# Altium PCB master.PcbDoc (part 2 of 10)
Units mm, origin at the board's own origin, x right, y up, seen from the top; angles counter-clockwise.
Board outline 160 x 120 mm, 6 copper layers (Top Signal, Top GND, Inner PWR, Inner Signal, Bottom GND, Bottom Signal), stack 1.601 mm thick; 526 components, 435 nets, 2167 pads, 1617 vias.
Unrouted connection lines stored in the file: 3.
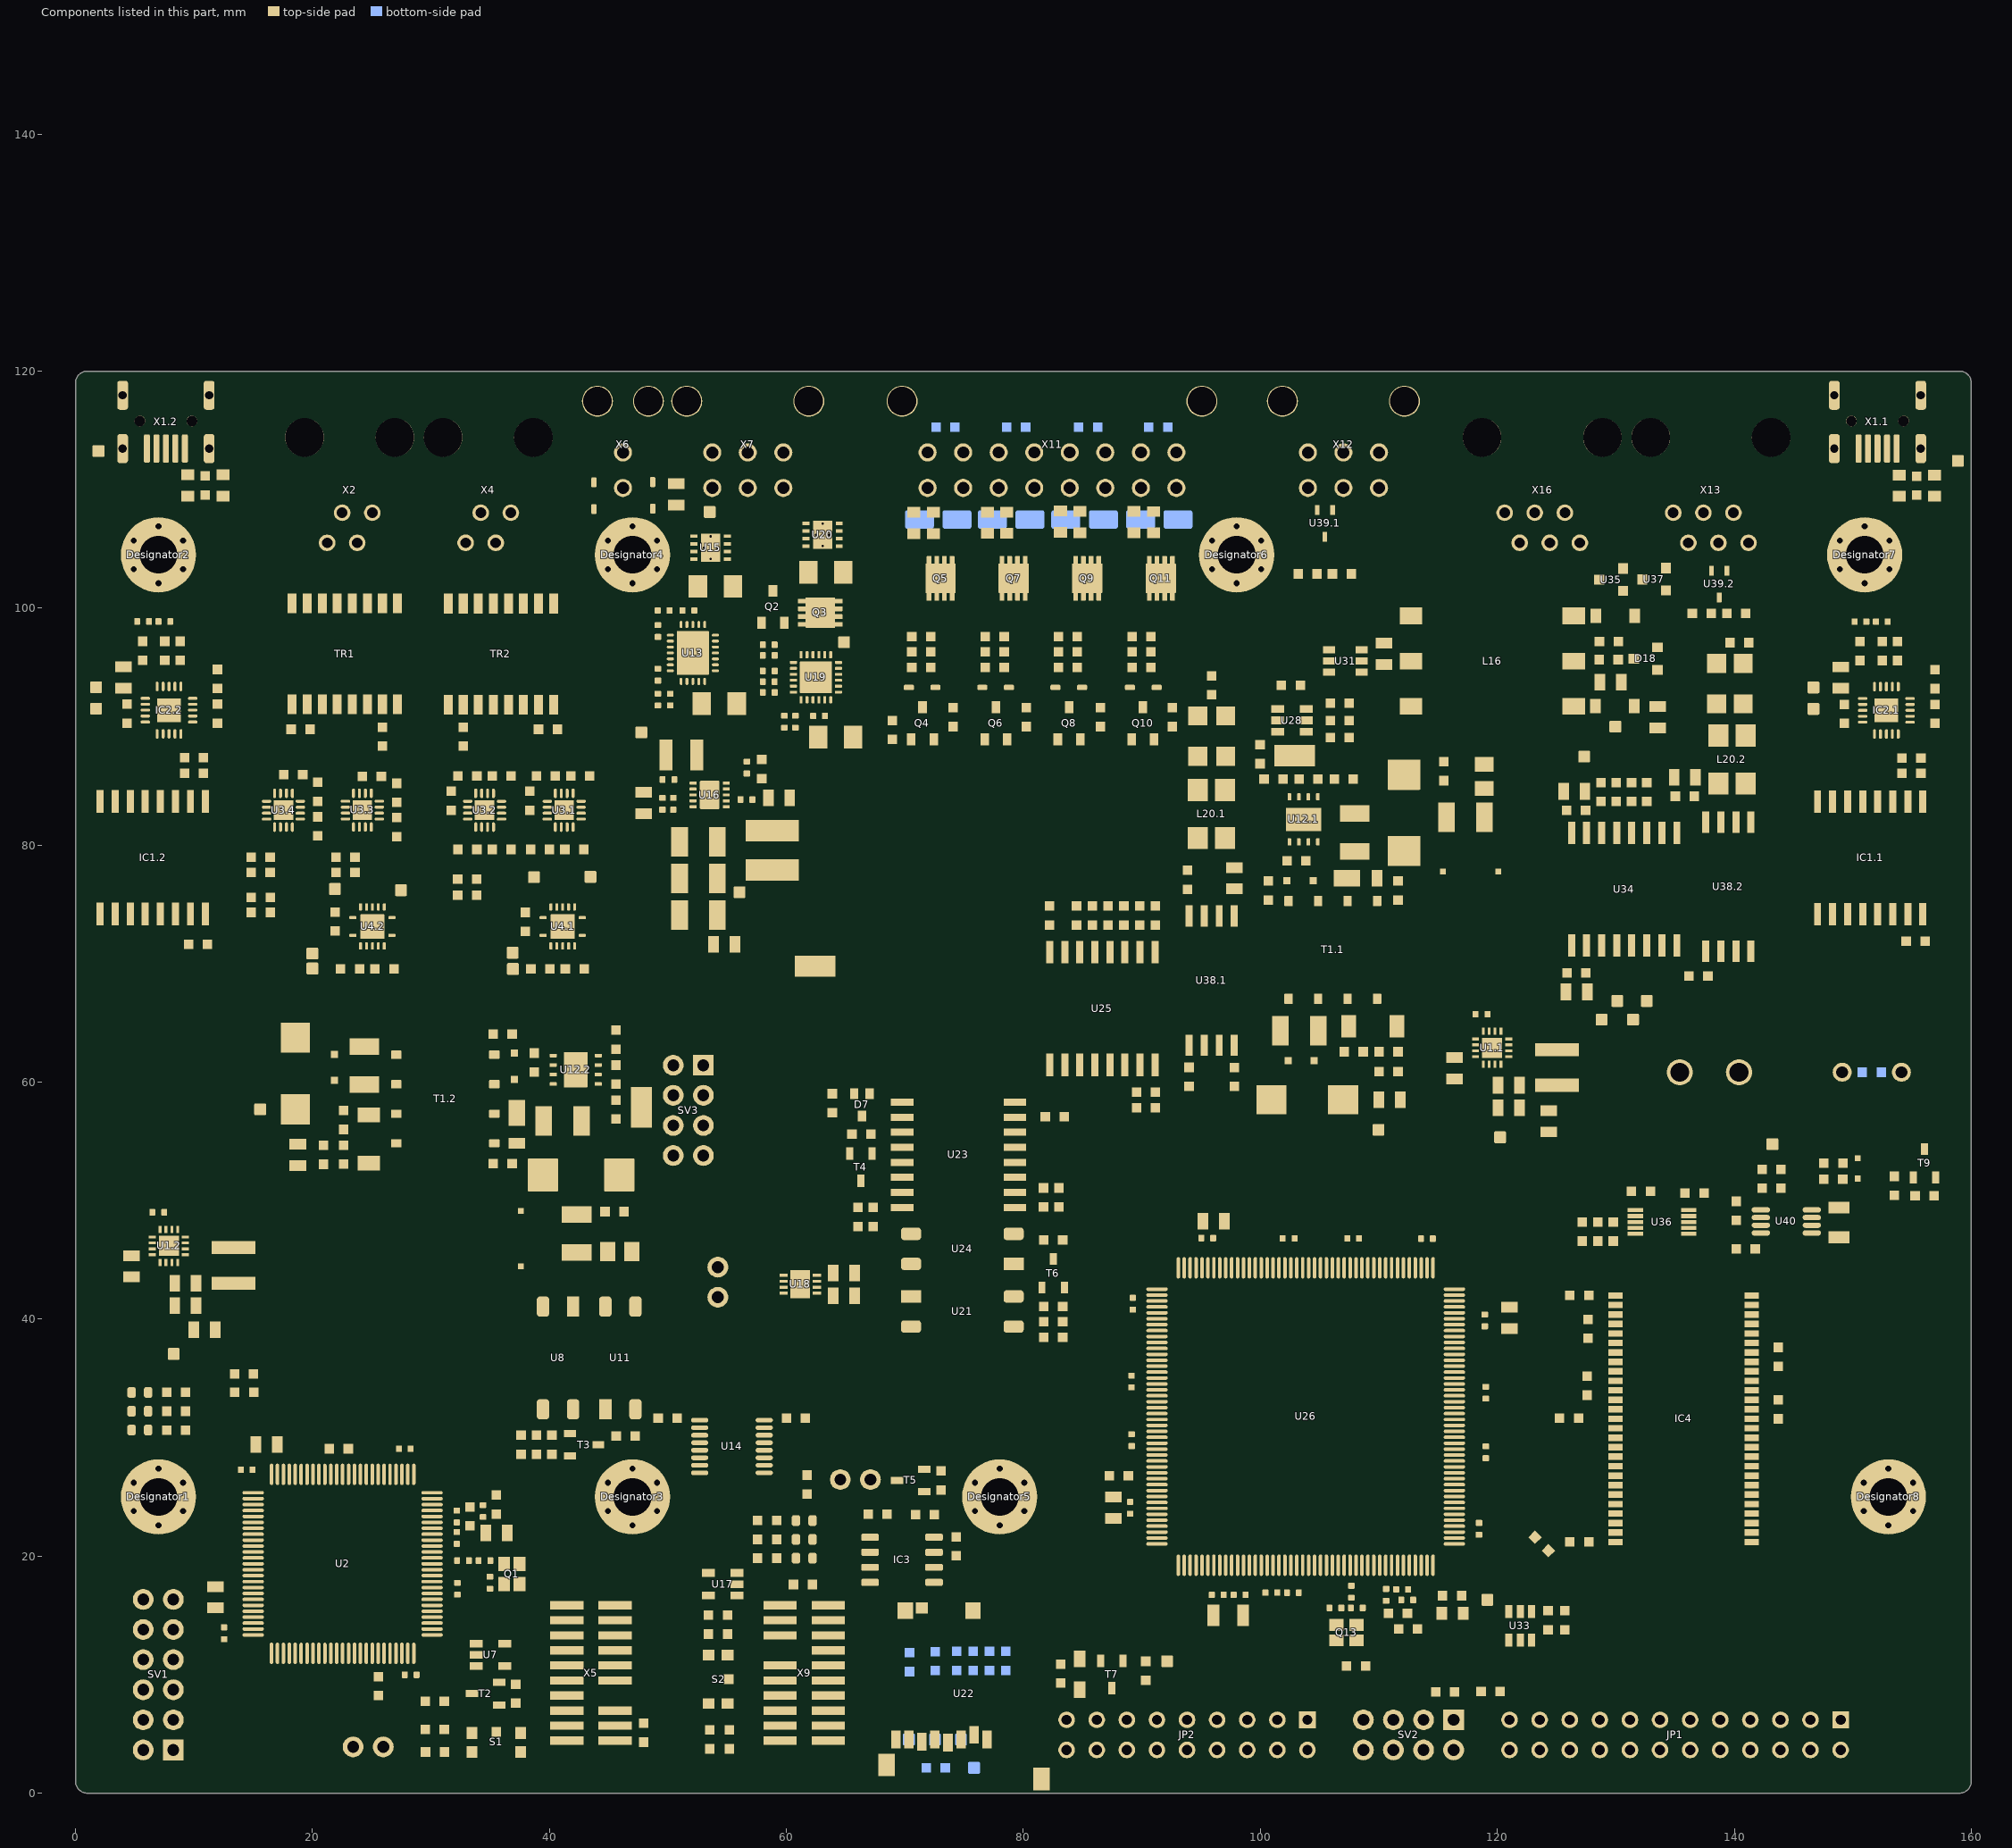
[diagram p6: the components of this part, seen from the top]

## Components (designator, comment, footprint, x,y, rotation, side; value= is the part's Value field where it differs from the comment) (continued)
D4.1 "75V" SOD-323 103.35,76.985 r180 top (schematic designator D4)
D4.2 "75V" SOD-323 37.027,61.344 r90 top (schematic designator D4)
D5 "MM3Z12VT1G" SODFL250X110-2N 43.754,109.484 r270 top
D6 "MM3Z12VT1G" SODFL250X110-2N 48.717,109.517 r270 top
D7 "BAT54SW-7-F" DIOD-SOT323-3_V 66.375,58.087 r270 top
D8 "CDSOD323-T05" SODFL250X110-2N 71.458,93.308 r0 top
D9 "CDSOD323-T05" SODFL250X110-2N 77.656,93.308 r0 top
D10 "CDSOD323-T05" SODFL250X110-2N 83.828,93.308 r0 top
D11 "CDSOD323-T05" SODFL250X110-2N 90.117,93.308 r0 top
D12 "d_si_sma_1A" DIOM4326X24N 91.477,107.475 r0 bottom
D13 "d_si_sma_1A" DIOM4326X24N 85.173,107.475 r0 bottom
D14 "d_si_sma_1A" DIOM4326X24N 72.821,107.475 r0 bottom
D15 "d_si_sma_1A" DIOM4326X24N 78.975,107.475 r0 bottom
D16 "MBR0520L" ONSC-SOD-123-2-425-04_V 129.917,91.728 r180 top
D17 "MBR0520L" ONSC-SOD-123-2-425-04_V 129.961,99.348 r180 top
D18 "BZX84C5V1ET1G" ONSC-SOT-23-3-318-08_V 132.518,95.735 r180 top
D19 "NF" NF_SOD-523 150.413,52.719 r270 top
Designator1 "Comment" HOLE_3.2_ISO 7,25 r0 top locked
Designator2 "Comment" HOLE_3.2_ISO 7,104.5 r0 top locked
Designator3 "Comment" HOLE_3.2_ISO 47,25 r0 top locked
Designator4 "Comment" HOLE_3.2_ISO 47,104.5 r0 top locked
Designator5 "Comment" HOLE_3.2_ISO 78,25 r0 top locked
Designator6 "Comment" HOLE_3.2_ISO 98,104.5 r0 top locked
Designator7 "Comment" HOLE_3.2_ISO 151,104.5 r0 top locked
Designator8 "Comment" HOLE_3.2_ISO 153,25 r0 top locked
IC1.1 "ISO7741DWR" DW0016B_N 151.47,78.927 r270 top value=Value (schematic designator IC1)
IC1.2 "ISO7741DWR" DW0016B_N 6.524,78.943 r270 top value=Value (schematic designator IC1)
IC2.1 "FT231XQ-R" QFN-20_N 152.835,91.375 r180 top locked (schematic designator IC2)
IC2.2 "FT231XQ-R" QFN-20_N 7.889,91.391 r180 top (schematic designator IC2)
IC3 "MB85RS2MTAPNF-G-BDERE1" SOIC127P600X175-8N 69.755,19.694 r0 top
IC4 "IS42S16400J-7TLI" TSOP80P1180X120-54N 135.716,31.596 r0 top locked
ISOGND "Testpoint_Square" Testpoint_S1 127.325,87.475 r270 top (schematic designator TPIisoGND1)
JP1 "SLW-112-01-T-D" SMTC-SLW-112-01-X-D#1 148.972,6.19 r180 bottom
JP2 "SLW-112-01-T-D" SMTC-SLW-112-01-X-D#2 103.97,6.19 r180 bottom locked
L1.1 "BLM21AG471SN1J" MURA-BLM21-H1-CHIP-2_V#1 153.919,110.334 r270 top (schematic designator L1)
L1.2 "BLM21AG471SN1J" MURA-BLM21-H1-CHIP-2_V#1 9.473,110.35 r270 top (schematic designator L1)
L2.1 "BLM21AG471SN1J" MURA-BLM21-H1-CHIP-2_V#1 156.882,110.334 r90 top (schematic designator L2)
L2.2 "BLM21AG471SN1J" MURA-BLM21-H1-CHIP-2_V#1 12.436,110.35 r90 top (schematic designator L2)
L3.1 "744042100" WE-TPC-M1 117.719,77.775 r180 top value=10uH (schematic designator L3)
L3.2 "744042100" WE-TPC-M1 37.575,46.8 r90 top value=10uH (schematic designator L3)
L4.1 "742792021" 0805_HV 118.894,85.8 r270 top value="22 ohm" (schematic designator L4)
L4.2 "742792021" 0805_HV 45.925,45.7 r180 top value="22 ohm" (schematic designator L4)
L5 "SDR0403-4R7ML" SDR0403 58.804,79.562 r270 top value=Value
L6 "BLM21AG471SN1J" MURA-BLM21-H1-CHIP-2_V#1 70.758,107.178 r270 top
L7 "BLM21AG471SN1J" MURA-BLM21-H1-CHIP-2_V#1 72.405,107.178 r270 top
L8 "BLM21AG471SN1J" MURA-BLM21-H1-CHIP-2_V#1 76.955,107.204 r270 top
L9 "BLM21AG471SN1J" MURA-BLM21-H1-CHIP-2_V#1 78.577,107.204 r270 top
L10 "BLM21AG471SN1J" MURA-BLM21-H1-CHIP-2_V#1 83.127,107.29 r270 top
L11 "BLM21AG471SN1J" MURA-BLM21-H1-CHIP-2_V#1 84.772,107.253 r270 top
L12 "BLM21AG471SN1J" MURA-BLM21-H1-CHIP-2_V#2 84.74,10.045 r270 top
L13 "BLM21AG471SN1J" MURA-BLM21-H1-CHIP-2_V#1 89.321,107.265 r270 top
L14 "BLM21AG471SN1J" MURA-BLM21-H1-CHIP-2_V#1 90.975,107.25 r270 top
L15_1 "PA4332.222NLT" PA4332 125.021,61.239 r270 top value=Value (schematic designator L15)
L15_2 "PA4332.222NLT" PA4332 13.342,44.528 r270 top value=Value (schematic designator L15)
L16 "Wurth 750316031 Xformer" 750316031 119.579,95.538 r0 top value=Value
L17 "BLM21AG471SN1J" MURA-BLM21-H1-CHIP-2_V#1 116.205,15.189 r180 top
L20.1 "B82789C0104H001" SIMDAD_1812 95.875,82.625 r180 top value=100uH (schematic designator L20)
L20.2 "B82789C0104H001" SIMDAD_1812 139.8,87.225 r180 top value=100uH (schematic designator L20)
LED1 "green" LEDC1608X07N 5.426,30.643 r180 top locked
LED2 "red" LEDC1608X07N 5.426,32.23 r180 top locked
LED3 "orange" LEDC1608X07N 5.426,33.818 r180 top locked
LED4 "green" LEDC1608X07N 61.5,19.829 r0 top locked
LED5 "red" LEDC1608X07N 61.5,21.417 r0 top locked
LED6 "orange" LEDC1608X07N 61.5,23.004 r0 top locked
LS1 "PS1240P02CT3" PS12 151.605,60.837 r180 top
LSP1 "Testpoint_Square" Testpoint_S1 92.127,11.128 r90 top
LSP2 "Testpoint_Square" Testpoint_S1 128.801,65.275 r90 top
LSP3 "Testpoint_Square" Testpoint_S1 130.125,66.85 r90 top
LSP4 "Testpoint_Square" Testpoint_S1 131.45,65.275 r90 top
LSP5 "Testpoint_Square" Testpoint_S1 132.611,66.85 r90 top
LSP6 "Testpoint_Square" Testpoint_S1 75.831,2.141 r90 bottom
LSP7 "Testpoint_Square" Testpoint_S1 74.731,4.531 r90 bottom
LSP8 "Testpoint_Square" Testpoint_S1 72.531,4.531 r180 bottom
LSP9 "Testpoint_Square" Testpoint_S1 70.331,4.531 r90 bottom
Q1 "CX2520DB32000D0GEJZ1" AVX-CX2520DB32000D0GEJZ1-4_V 36.823,18.494 r180 top
Q2 "BSS138" SOT-23 58.857,100.116 r90 top value=50V
Q3 "CSD17308Q3" SONQ3A 62.857,99.614 r0 top value=30V
Q4 "BSS138" SOT-23 71.483,90.288 r90 top value=50V
Q5 "CSD18543Q3A" SONQ3A 73.011,102.518 r90 top value=30V
Q6 "BSS138" SOT-23 77.68,90.288 r90 top value=50V
Q7 "CSD18543Q3A" SONQ3A 79.173,102.518 r90 top value=30V
Q8 "BSS138" SOT-23 83.852,90.288 r90 top value=50V
Q9 "CSD18543Q3A" SONQ3A 85.385,102.518 r90 top value=30V
Q10 "BSS138" SOT-23 90.075,90.288 r90 top value=50V
Q11 "CSD18543Q3A" SONQ3A 91.6,102.518 r90 top value=30V
Q12 "32.768kHz" ESPO-FC-135-2_V 97.288,14.994 r180 top
Q13 "CX2520DB32000D0GEJZ1" AVX-CX2520DB32000D0GEJZ1-4_V 107.274,13.543 r90 top
R1.1 "27R" 0603R 152.478,96.382 r270 top (schematic designator R1)
R1.2 "27R" 0603R 7.532,96.398 r270 top (schematic designator R1)
R2 "130R" 0603R 8.49,30.643 r180 top
R3 "130R" 0603R 8.49,32.23 r180 top locked
R4 "130R" 0603R 8.49,33.818 r0 top locked
R5.1 "27R" 0603R 153.773,96.382 r270 top (schematic designator R5)
R5.2 "27R" 0603R 8.828,96.398 r270 top (schematic designator R5)
R6 "0.01R" 0805R 10.877,39.115 r180 top
R7.1 "0R" 0603R 156.923,91.082 r270 top (schematic designator R7)
R7.2 "0R" 0603R 11.978,91.098 r270 top (schematic designator R7)
R8.1 "0R" 0603R 156.923,94.007 r90 top (schematic designator R8)
R8.2 "0R" 0603R 11.978,94.024 r90 top (schematic designator R8)
R9 "0R" 0603R 14.217,35.382 r180 top
R10 "680R" 0603R 14.243,33.818 r0 top
R11.1 "1k2" 0603R 39.2,79.643 r0 top (schematic designator R11)
R11.2 "1k2" 0603R 33.075,79.643 r0 top (schematic designator R11)
R11.3 "1k2" 0603R 22.785,77.7 r180 top (schematic designator R11)
R11.4 "1k2" 0603R 15.625,77.7 r180 top (schematic designator R11)
R12.1 "806R" 0603R 42.1,79.643 r0 top (schematic designator R12)
R12.2 "806R" 0603R 35.963,79.643 r0 top (schematic designator R12)
R12.3 "806R" 0603R 22.785,78.991 r0 top (schematic designator R12)
R12.4 "806R" 0603R 15.625,78.991 r0 top (schematic designator R12)
R13.1 "2k" 0603R 33.053,77.125 r180 top (schematic designator R13)
R13.2 "2k" 0603R 15.636,74.324 r180 top (schematic designator R13)
R14.1 "2k" 0603R 33.053,75.768 r180 top (schematic designator R14)
R14.2 "2k" 0603R 15.636,75.575 r180 top (schematic designator R14)
R15.1 "120R" 0603R 38.325,83.75 r270 top (schematic designator R15)
R15.2 "120R" 0603R 31.7,83.75 r270 top (schematic designator R15)
R15.3 "120R" 0603R 25.01,85.792 r180 top (schematic designator R15)
R15.4 "120R" 0603R 18.375,85.943 r180 top (schematic designator R15)
R16 "0R" 0805R 18.76,53.858 r90 top
R17 "10k" 0603R 22.223,29.065 r0 top
R20.1 "0R" 0603R 39.229,69.55 r0 top (schematic designator R20)
R20.2 "0R" 0603R 23.17,69.55 r0 top (schematic designator R20)
R21.1 "CRCW0603100RFKEA" 0603R 107.882,62.57 r0 top value=100 (schematic designator R21)
R21.2 "CRCW0603100RFKEA" 0603R 22.612,56.812 r270 top value=100 (schematic designator R21)
R23.1 "20k" 0603R 42.134,69.55 r0 top (schematic designator R23)
R23.2 "20k" 0603R 26.076,69.55 r0 top (schematic designator R23)
R24 "10k" 0603R 25.559,9.035 r90 top locked
R25 "100k" 0603R 30.321,5.384 r180 top locked
R26 "0R" 0603R 30.343,3.473 r0 top
R31 "0R" 0402R 32.701,19.628 r0 top
R33.1 "CRCW0603100RFKEA" 0603R 111.619,76.175 r90 top value=100 (schematic designator R33)
R33.2 "CRCW0603100RFKEA" 0603R 36.05,53.125 r0 top value=100 (schematic designator R33)
R34 "10k" 0603R 37.148,8.4 r90 top locked
R35 "10k" 0603R 37.6,29.4 r90 top
R39.1 "CRCW0603158KFKEA" 0603R 103.043,78.672 r180 top value=158k (schematic designator R39)
R39.2 "CRCW0603158KFKEA" 0603R 38.714,61.651 r90 top value=158k (schematic designator R39)
R40 "10R" 0603R 38.913,29.4 r270 top
R41 "10k" 0603R 40.206,29.4 r270 top
R44.1 "CRCW0603130KFKEA" 0603R 104.059,85.569 r0 top value=130k (schematic designator R44)
R44.2 "CRCW0603130KFKEA" 0603R 45.612,60.635 r270 top value=130k (schematic designator R44)
R45.1 "CRCW060312K1FKEA" 0603R 101.109,85.569 r0 top value=12.1k (schematic designator R45)
R45.2 "CRCW060312K1FKEA" 0603R 45.612,63.585 r270 top value=12.1k (schematic designator R45)
R46 "430R" 0603R 46.43,30.135 r0 top
R47 "10.7k" 0402R 49.151,92.281 r90 top
R48 "0R" 0402R 49.151,98.072 r90 top
R49 "26.1k" 0402R 49.151,94.387 r90 top
R50 "49k9" 0402R 49.633,99.8 r0 top
R51 "100k" 0402R 50.045,85.536 r180 top
R52 "600R" 0805R 50.71,109.606 r90 top
R53 "374k" 0402R 51.728,99.8 r0 top
R54 "680R" 0603R 54.228,13.427 r180 top locked
R55 "0R" 0603R 54.228,15.014 r0 top locked
R56 "0R" 0603R 53.529,4.537 r90 top
R57 "0R" 0805R 54.755,71.623 r0 top
R58 "100k" 0603R 55.18,4.537 r270 top
R59 "0.47" 0402R 56.626,83.845 r0 top
R60 "130R" 0603R 58.372,19.829 r0 top locked
R61 "130R" 0603R 58.372,21.417 r0 top locked
R62 "130R" 0603R 58.372,23.004 r0 top locked
R63 "26.1k" 0402R 58.503,93.796 r0 top
R64 "0R" 0402R 58.507,92.889 r0 top
R65 "49k9" 0402R 58.507,96.012 r0 top
R66 "374k" 0402R 58.507,96.909 r0 top
R67 "30k" 0402R 59.829,90.418 r90 top
R68 "56k" 0402R 60.752,90.418 r90 top
R69 "49k9" 0402R 62.754,90.901 r0 top
R70 "10k" 0603R 63.875,58.221 r90 top
R71 "40R" 0805R 64.842,41.97 r180 top
R72 "20k" 0805R 64.842,43.891 r180 top
R73 "10k" 0603R 66.325,55.6 r180 top
R74 "10k" 0603R 67.691,23.532 r0 top
R75 "10k" 0603R 68.95,89.725 r270 top
R76 "47R" 0603R 71.383,95 r180 top
R77 "47R" 0603R 71.383,97.6 r0 top
R78 "10k" 0603R 73.037,26.39 r90 top
R79 "10k" 0603R 74.061,90.8 r90 top
R80 "10k" 0603R 74.331,20.836 r90 top
R81 "47R" 0603R 77.58,95 r180 top
R82 "47R" 0603R 77.58,97.6 r0 top
R83 "10k" 0603R 80.248,90.8 r90 top
R84 "10k" 0603R 82.513,38.475 r180 top
R85 "10R" 0603R 82.513,39.775 r0 top
R86 "10k" 0603R 82.513,41.075 r0 top
R87 "430R" 0603R 82.513,46.675 r180 top
R88 "100k" 0603R 82.65,57.075 r0 top
R89 "47R" 0603R 83.752,95 r180 top
R90 "47R" 0603R 83.752,97.6 r0 top
R91 "100k" 0603R 84.486,74.064 r90 top
R92 "10k" 0603R 85.816,74.064 r90 top
R93 "10k" 0603R 86.498,90.8 r90 top
R94 "10k" 0603R 87.146,74.064 r90 top
R95 "10k" 0603R 88.06,26.79 r0 top
R96 "10k" 0603R 88.476,74.064 r90 top
R97 "47R" 0603R 89.971,95 r0 top
R98 "47R" 0603R 89.971,97.6 r0 top
R99 "10k" 0603R 89.806,74.064 r90 top
R100 "47k" 0603R 90.328,10.328 r270 top
R101 "10k" 0603R 92.575,90.8 r90 top
R104 "100k" 0603R 99.975,87.675 r270 top
R108 "100k" 0603R 106.699,89.067 r0 top
R109 "100k" 0603R 106.699,90.522 r0 top
R110 "100k" 0603R 106.699,91.971 r0 top
R112 "0R" 0402R 107.681,17 r270 top
R113 "0R" 0805R 110.894,58.508 r180 top
R115 "10k" 0603R 123.748,21.034 r135 top
R116 "0.01R" 0805R 124.34,56.702 r90 top
R117 "100k" 0603R 127.167,47.39 r90 top
R118 "10R" 0603R 128.751,84.484 r270 top
R119 "100k" 0603R 129.786,47.39 r90 top
R120 "10R" 0603R 130.038,84.484 r270 top
R121 "10R" 0603R 131.324,84.484 r270 top
R122 "10R" 0603R 132.611,84.484 r270 top
R123 "0R" 0805R 133.518,90.784 r90 top
R124.1 "CRCW120660R4FKEA" 1206R 94.718,89.197 r270 top value=60.4 (schematic designator R124)
R124.2 "CRCW120660R4FKEA" 1206R 138.503,93.627 r270 top value=60.4 (schematic designator R124)
R125.1 "CRCW120660R4FKEA" 1206R 97.068,89.197 r90 top value=60.4 (schematic designator R125)
R125.2 "CRCW120660R4FKEA" 1206R 140.748,93.627 r90 top value=60.4 (schematic designator R125)
R126 "100k" 0603R 140.179,49.142 r90 top
R127 "4k7" 0603R 143.143,51.067 r180 top
R128 "4k7" 0603R 143.146,52.648 r180 top
R129 "10M" 0603R 148.356,51.805 r180 top
R130 "NF" 0603R 148.359,53.158 r180 top
R132 "10R" 0603R 153.51,51.25 r270 top
R134 "10k" 0603R 156.055,50.411 r180 top
R137 "1k" 0603R 151.605,60.837 r0 bottom
R138 "10k" 0603R 78.522,11.164 r90 bottom
R139 "10k" 0603R 77.139,11.164 r90 bottom
R140 "10k" 0603R 75.755,11.164 r90 bottom
R141 "10k" 0603R 74.372,11.164 r90 bottom
R142 "10k" 0603R 72.565,11.146 r270 bottom
R143 "10k" 0603R 70.389,11.063 r90 bottom
S1 "KMR221GLFS" KMR2_Series 35.509,4.273 r0 top
S2 "KMR221GLFS" KMR2_Series 54.228,9.617 r270 top locked
SV1 "TSW-106-07-G-D" PINHEADER_2.54_2X6 6.985,10 r90 top locked
SV2 "TSW-104-07-G-D" PINHEADER_2.54_2X4 112.5,4.92 r180 top
SV3 "SLW-104-01-G-D" SLW_104_01_G_D 51.717,57.617 r270 bottom
T1.1 "YA8779-BL" Coilcraft_YA8779-CL 106.117,71.167 r270 top value=30uH (schematic designator T1)
T1.2 "YA8779-BL" Coilcraft_YA8779-CL 31.209,58.577 r180 top value=30uH (schematic designator T1)
T2 "BSS84P" INF-PG-SOT23_N 34.608,8.4 r180 top locked
T3 "IRLML0100TRPBF" SOT95P237X110-3N 42.925,29.4 r0 top
T4 "BSS84P" INF-PG-SOT23_N 66.275,52.836 r270 top
T5 "BSS84P" INF-PG-SOT23_N 70.497,26.39 r180 top
T6 "IRLML0100TRPBF" SOT95P237X110-3N 82.513,43.875 r90 top
T7 "BSS84P" INF-PG-SOT23_N 87.468,10.012 r270 top
T9 "IRLML0100TRPBF" SOT95P237X110-3N 156.055,53.155 r90 top
TP1.1 "CS" Testpoint_S1 36.883,70.923 r90 top (schematic designator TP1)
TP1.2 "CS" Testpoint_S1 19.985,70.85 r90 top (schematic designator TP1)
TP2.1 "DIR" Testpoint_S1 36.915,69.55 r90 top (schematic designator TP2)
TP2.2 "DIR" Testpoint_S1 19.99,69.587 r90 top (schematic designator TP2)
TP3.1 "RV" Testpoint_S1 38.695,77.301 r90 top (schematic designator TP3)
TP3.2 "RV" Testpoint_S1 21.896,76.3 r90 top (schematic designator TP3)
TP4.1 "FW" Testpoint_S1 43.46,77.325 r90 top (schematic designator TP4)
TP4.2 "FW" Testpoint_S1 27.459,76.2 r90 top (schematic designator TP4)
TP9.1 "SS/BIAS" Testpoint_Keystone_Miniature#2 102.9,87.55 r180 top (schematic designator TP9)
TP9.2 "SS/BIAS" Testpoint_Keystone_Miniature#2 47.775,57.857 r90 top (schematic designator TP9)
TPeRV1 "Testpoint_Square" Testpoint_S1 64.857,97.125 r90 top
TR1 "HX1188NL" PULS-MODULE-16_V 22.728,96.142 r270 top locked
TR2 "HX1188NL" PULS-MODULE-16_V 35.9,96.117 r270 top locked
U1.1 "TPS62142RGTR" RGT0016C 119.557,62.895 r180 top value=Value (schematic designator U1)
U1.2 "TPS62142RGTR" RGT0016C 7.878,46.185 r180 top value=Value (schematic designator U1)
U2 "STM32F429VIT6" STM-LQFP100_N 22.543,19.354 r180 top locked
U3.1 "LTC6820IUD#PBF" LT-UD-16-EPV-AA_L 41.243,82.95 r180 top locked (schematic designator U3)
U3.2 "LTC6820IUD#PBF" LT-UD-16-EPV-AA_L 34.525,82.95 r180 top locked (schematic designator U3)
U3.3 "LTC6820IUD#PBF" LT-UD-16-EPV-AA_L 24.21,82.958 r90 top locked (schematic designator U3)
U3.4 "LTC6820IUD#PBF" LT-UD-16-EPV-AA_L 17.55,82.95 r90 top locked (schematic designator U3)
U4.1 "SN74LVC00ARGYR" RGY0014A_V 41.115,73.135 r0 top (schematic designator U4)
U4.2 "SN74LVC00ARGYR" RGY0014A_V 25.056,73.135 r0 top (schematic designator U4)
U7 "LM3724IM5-3.08/NOPB" MF05A_N 35.025,11.675 r0 top
U8 "AQY212GHA" PAN_AQY21-SO4 40.723,36.725 r270 top locked
U11 "AQY212GHA" PAN_AQY21-SO4 45.989,36.725 r90 top locked
U12.1 "LM5180QNGURQ1" NGU0008C 103.65,82.172 r90 top (schematic designator U12)
U12.2 "LM5180QNGURQ1" NGU0008C 42.214,61.044 r0 top (schematic designator U12)
U13 "TPS26602RHFR" RHF0024A 52.102,96.217 r180 top value=Value
U14 "ISO7762DBQR" DBQ0016A_N 55.4,29.256 r0 top locked value=Value
U15 "TVS3301DRBR" DRB0008F 53.602,105.1 r0 top value=Value
U16 "LM536013QDSXRQ1" DSX0010A 53.521,84.236 r180 top value=Value
U17 "LM3724IM5-3.08/NOPB" MF05A_N 54.628,17.639 r180 top
U18 "LT3092EDD#TRPBF" LT-DD-8_V 61.161,42.948 r180 top
U19 "TPS26630RGET" RGE0024H 62.487,94.166 r270 top value=Value
U20 "TVS3301DRBR" DRB0008F 63.054,106.19 r0 top value=Value
U21 "AQY212GHA" PAN_AQY21-SO4 74.844,40.645 r0 top locked
U22 "MOLEX_47352-1001" MOLEX_47352_1001 69.391,14.691 r0 top locked
U23 "ISO7761DWR" DW0016B_N 74.525,53.87 r180 top locked value=Value
U24 "AQY212GHA" PAN_AQY21-SO4 74.844,45.93 r180 top locked
U25 "ISO7761DWR" DW0016B_N 86.667,66.211 r270 top locked value=Value
U26 "STM32F429IIT6" STM-LQFP176_N 103.822,31.784 r90 top locked
U28 "LM3880MFX-1AB/NOPB" MF06A_N 102.659,90.53 r0 top
U31 "SN6505ADBVR" DBV0006A_N 107.172,95.538 r180 top value=Value
U33 "ADR3425ARJZ-R2" ADI-RJ-6_N 121.929,14.132 r90 top
U34 "ISO1432DWR" DW0016B_N 130.706,76.283 r90 top value=Value
U35 "PSM712-LF-T7" PRKT-SOT23-3_V 129.6,102.4 r180 top
U36 "LTC2990" MSOP-10 133.897,48.202 r0 top locked
U37 "PSM712-LF-T7" PRKT-SOT23-3_V 133.225,102.425 r180 top
U38.1 "ISO1042DWVR" DWV0008A 95.889,68.565 r90 top locked value=Value (schematic designator U38)
U38.2 "ISO1042DWVR" DWV0008A 139.502,76.483 r90 top value=Value (schematic designator U38)
U39.1 "TPD2E007DCKR" DCK0003A_N 105.445,107.15 r270 top (schematic designator U39)
U39.2 "TPD2E007DCKR" DCK0003A_N 138.725,102.025 r270 top (schematic designator U39)
U40 "DS1339-U33" USOP-8 144.39,48.249 r180 top
U$1 "" FIDUCIAL_1MM 3,110 r0 top locked
U$2 "" FIDUCIAL_1MM 14,5 r0 top locked
U$3 "" FIDUCIAL_1MM 147,12.5 r0 top locked
U$4 "" FIDUCIAL_1MM 157,104 r0 top locked
U$5 "" FIDUCIAL_1MM 155,5 r180 bottom locked
U$6 "" FIDUCIAL_1MM 152,113.5 r90 bottom locked
U$7 "" FIDUCIAL_1MM 16.375,17.168 r180 bottom locked
U$8 "" FIDUCIAL_1MM 7.5,113.5 r180 bottom locked
USBGND "Testpoint_Square" Testpoint_S1 158.875,112.425 r180 top (schematic designator TPuGND1)